# Altium PCB PCB.PcbDoc (part 2 of 3) (continued)
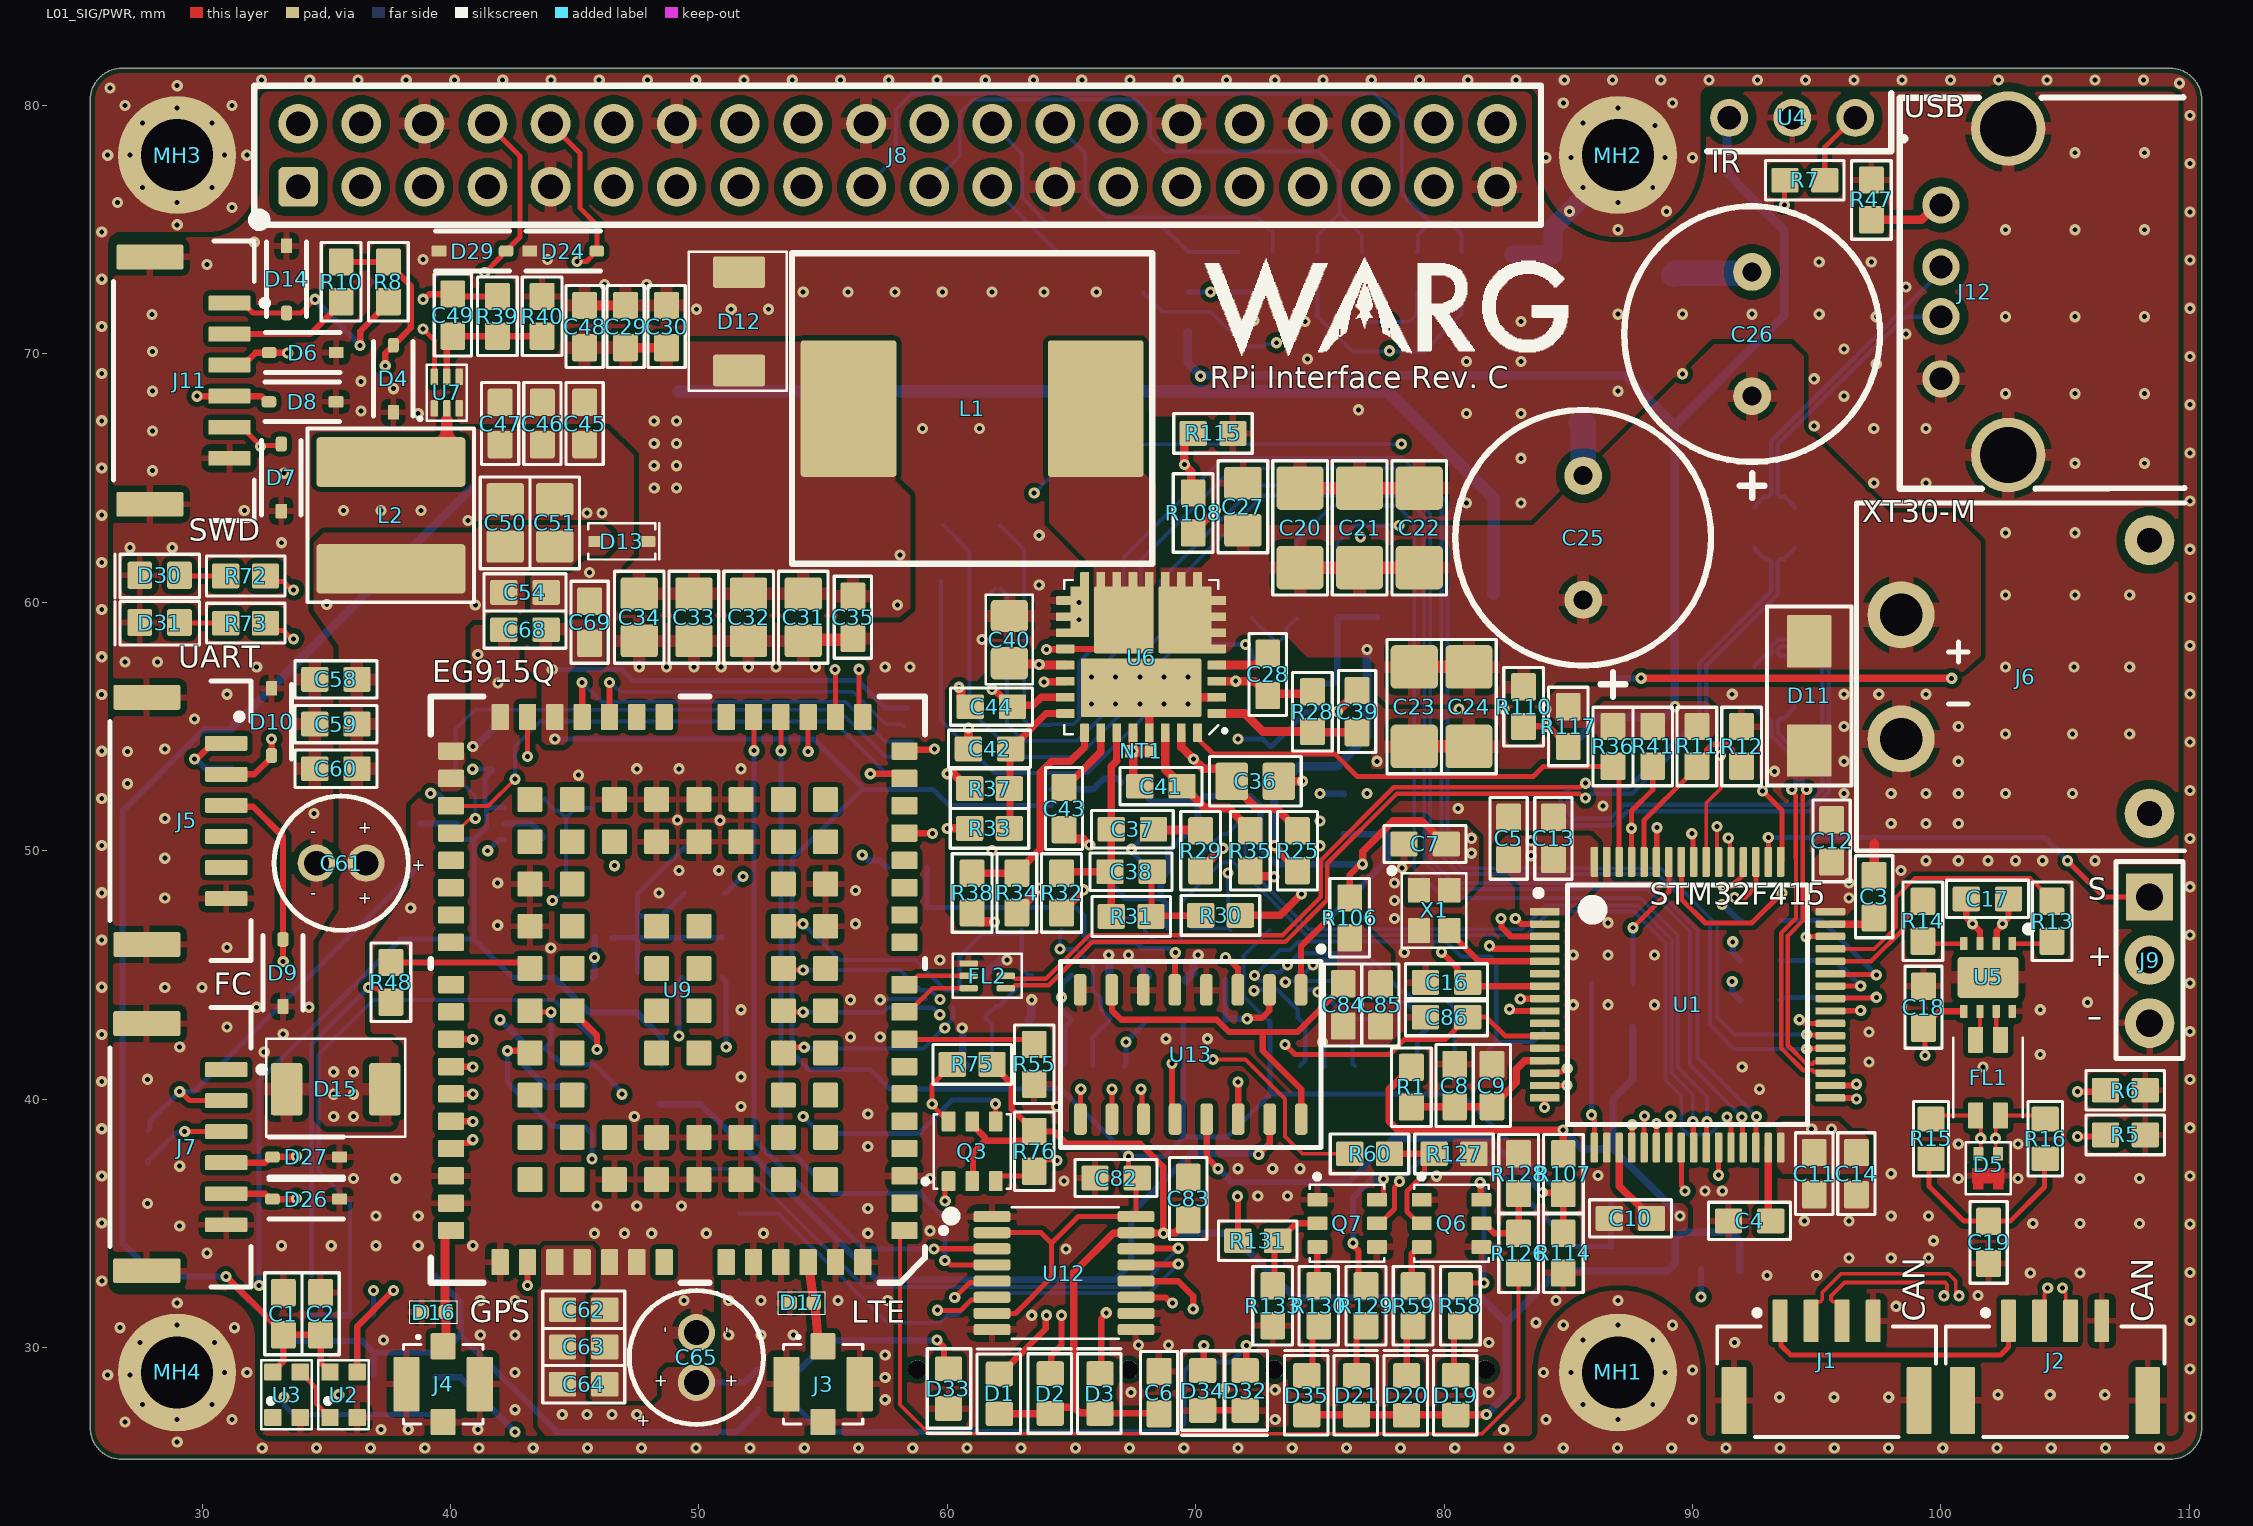
[diagram p0: L01_SIG/PWR view]
## Nets (pads, with @x,y where several pads share a name; then routed paths per layer and width w, separated by ;. In a path a pad name is that pad's centre, name@x,y a point inside that pad or via, vN(x,y) a via of type N, cw(c..) or ccw(c..) an arc to the next point about the centre after c; other vN are vias at no path point) (continued)
  L01_SIG/PWR w0.3: v1(61.8,56.5) 61.829,56.471 61.903,56.471 62.575,55.8 C44.2@62.625,55.8 62.674,55.849 63.449,55.849 63.775,56.175 U6.23@64.75,56.175 ; R30.2@71.8,47.4 73.4,47.4 v1(74.256,48.256) ; v1(87.935,56.946) 87.937,56.944 v1(100.434,56.944)
  L01_SIG/PWR w0.4: C30.2@48.7,70.25 48.699,70.251 C29.2@47.048,70.252 ; C29.2@47.048,70.252 C29.2@47.048,70.252
  L03_SIG w0.3: v1(58,59.9) 58.4,59.9 v1(61.8,56.5) ; v1(58.1,61.9) 69.107,61.9 75,56.007 v1(75,52.3) 74.256,51.556 v1(74.256,48.256) ; v1(100.434,56.944) 101.275,56.103 v1(101.275,47.062)
  L04_SIG/PWR w0.254: F1.1@31.2,54.9 31.175,54.875 30.075,54.875 26.8,51.6 26.8,34.2 28.14,32.86 v1(30.959,32.86) 33.552,30.268 36.437,30.268 36.9,29.805 ; Q5.5@36.9,28.9 36.9,29.805 ; R94.2@39.4,32.9 39.4,32.85 40.4,31.85 40.4,30.5 ; R123.2@52.4,27.5 51.5,26.6 44.3,26.6 40.4,30.5 ; v1(75,52.3) 75.931,52.3 R111.2@75.966,52.265 ; U8.3@86.85,56.8 86.996,56.946 v1(87.935,56.946) ; 36.9,29.805 39.705,29.805 40.4,30.5
  L04_SIG/PWR w0.3: F1.1@31.2,54.9 F1.1@31.2,54.95
  L04_SIG/PWR w0.35: F1.1@31.2,54.95 40.775,64.525
  L04_SIG/PWR w0.508: 49.2,68.5 77.7,68.5 81.996,64.204 81.996,60.352 C55.2@81.984,60.34
  other v1: 48.2,64.6 49.1,64.6 48.2,65.5 49.1,65.5 48.2,66.4 49.1,66.4 48.2,67.3 49.1,67.3
ADC1_IN13_ANALOG_MUX_INPUT: C86.2 U1.11 U13.3 | length 18.4
  L01_SIG/PWR w0.203: v1(73.6,42.2) 74,41.8 77.8,41.8 78.4,42.4 80.05,42.4 80.502,42.852 80.502,42.902 80.9,43.3 81.7,43.3 82.45,42.55 U1.11@84.05,42.55
  L01_SIG/PWR w0.254: v1(71.199,45.698) 71.236,45.66 71.307,45.66 71.7,45.267 U13.3@71.7,44.4
  L03_SIG w0.254: v1(71.199,45.698) 71.199,43.301 72.3,42.2 v1(73.6,42.2)
AMUX_VDDA: C84.2 C85.2 R106.1 U13.7 U13.16 | length 15.4
  L01_SIG/PWR w0.254: U13.7@66.62,44.4 66.633,44.387 66.633,43.567 67,43.2 70.852,43.2 71.352,42.7 72.7,42.7 ; U13.16@74.25,39.2 74.25,40.405 72.7,41.955 72.7,42.7 ; C84.2@75.927,44.59 75.927,44.54 74.087,42.7 72.7,42.7
ANT_GPS: D16.2 J4.1 U9.49 | length 4.9
  L01_SIG/PWR w0.369: J4.1@39.704,30.052 39.821,30.169 D16.2@39.821,31.43 ; D16.2@39.785,31.43 39.785,34.547 39.95,34.712 U9.49@40.025,34.712
ANT_LTE: D17.2 J3.1 U9.60 | length 3.5
  L01_SIG/PWR w0.369: U9.60@54.4,33.437 54.447,33.097 54.608,31.895 D17.2@54.627,31.8 54.668,31.705 54.79,30.365 J3.1@55,30.025
AP_READY_1V8: Q4.1 R88.1 U9.19 | length 26.7
  L01_SIG/PWR w0.203: v1(56.448,57.305) 56.448,55.539 U9.19@56.6,55.387
  L03_SIG w0.152: v1(56.448,57.305) 56.432,57.289 56.432,52.759 59.891,49.3 71.062,49.3 71.262,49.1 v1(71.3,49.1)
  L04_SIG/PWR w0.152: Q4.1@69.85,46.9 69.867,46.883 R88.1@71.317,46.883 ; v1(71.3,49.1) 71.3,46.9 R88.1@71.317,46.883 ; R88.1@71.4,46.8 R88.1@71.317,46.883
BOOTSTRAP: C28.2 U6.4 | length 2.3
  L01_SIG/PWR w0.35: U6.4@70.85,57.475 72.425,57.475 72.525,57.575 72.575,57.575 72.9,57.9 C28.2@72.9,57.95
CAN1_RX: R14.2 U1.44 | length 4.9
  L01_SIG/PWR w0.178: U1.44@95.55,45.55 97.19,45.55 98.5,46.86 98.5,47.187 R14.2@99.275,47.962
CAN1_TX: R13.2 U1.45 | length 11.2
  L01_SIG/PWR w0.152: U1.45@95.55,46.05 97.316,46.05 98.2,46.934 98.2,48.142 98.958,48.9 103.587,48.9 104.475,48.012 R13.2@104.475,47.962
CAN_D_N: D5.2 FL1.1 J1.3 J2.3 R15.2 | length 24.5
  L01_SIG/PWR w0.149: J1.3@96.025,31.076 96.025,31.613 95.8,31.839 95.663,31.839 95.576,31.926 95.576,32.075 96.121,32.62 100.162,32.62 100.249,32.533 100.249,32.208 v1(100.125,32.085) ; R15.2@99.6,39.2 99.739,39.339 FL1.1@101.399,39.339 101.603,39.136 v1(101.603,38.426) 101.603,37.896 D5.2@101.506,37.799 ; v1(104.9,32.4) 104.9,32.319 105.03,32.189 105.03,31.271 J2.3@105.225,31.076
  L03_SIG w0.149: v1(100.125,32.085) 100.125,32.003 100.233,31.895 100.233,31.477 100.594,31.116 104.116,31.116 104.792,31.793 v1@104.792,32.21 ; v1@100.233,32.274 100.233,34.483 101.711,35.961 101.711,38.236 101.603,38.344 v1(101.603,38.426)
CAN_D_P: D5.1 FL1.2 J1.2 J2.2 R16.2 | length 24.4
  L01_SIG/PWR w0.149: J1.2@94.775,31.076 94.775,31.613 95,31.839 95.137,31.839 95.224,31.926 95.224,32.221 95.975,32.973 100.308,32.973 100.601,32.679 100.601,32.208 v1(100.725,32.085) ; D5.1@102.306,37.799 102.203,37.903 v1(102.203,38.426) 102.203,39.143 FL1.2@102.399,39.339 104.061,39.339 R16.2@104.2,39.2 ; J2.2@103.975,31.076 104.17,31.271 104.17,32.189 104.3,32.319 v1(104.3,32.4)
  L03_SIG w0.149: v1@100.617,32.274 100.617,34.324 102.095,35.802 102.095,38.236 102.203,38.344 v1(102.203,38.426) ; v1(100.725,32.085) 100.725,32.003 100.617,31.895 100.617,31.636 100.753,31.5 103.957,31.5 104.408,31.952 v1@104.408,32.21
CAN_H_FILT: FL1.3 U5.7 | length 1.2
  L01_SIG/PWR w0.178: U5.7@102.225,43.538 102.225,42.564 FL1.3@102.399,42.389
CAN_L_FILT: FL1.4 U5.6 | length 1.1
  L01_SIG/PWR w0.178: FL1.4@101.475,42.431 101.575,42.531 U5.6@101.575,43.538
CGND: C57.1 MH1.1 MH2.1 MH3.1 MH4.1 R42.1 | length 6.6
  L04_SIG/PWR w0.762: R42.1@82.823,74.011 82.844,73.99 C57.1@84.373,73.99 84.373,74.151 84.381,74.159 84.381,75.081 MH2.1@87.15,77.85
  other v1: 32.419,25.96 34.602,25.96 36.784,25.96 38.967,25.96 41.149,25.96 43.332,25.96 45.514,25.96 47.696,25.96 49.879,25.96 52.061,25.96 54.244,25.96 56.426,25.96 58.609,25.96 60.791,25.96 62.973,25.96 65.156,25.96 67.338,25.96 69.521,25.96 71.703,25.96 73.886,25.96 76.068,25.96 78.25,25.96 80.433,25.96 82.615,25.96 84.798,25.96 86.98,25.96 89.163,25.96 91.345,25.96 93.527,25.96 95.71,25.96 97.892,25.96 100.075,25.96 102.257,25.96 104.44,25.96 106.622,25.96 108.804,25.96 29,26.2 26.9,27 29,27.1 31.2,27.1 84.1,27.1 87,27.1 90,27.1 110.023,27.203 27.6,27.7 30.4,27.7 85.6,27.7 88.4,27.7 26.2,28.9 27.1,28.9 30.9,29 31.8,29 84,29 85.1,29 88.9,29 90,29.1 110.023,29.143 27.5,30.2 30.5,30.2 85.6,30.3 88.4,30.3 26.7,30.8 31.3,30.8 29,30.9 84.8,30.9 87,30.9 89.2,30.9 110.023,31.084 29,31.8 87,31.9 25.962,32.685 110.023,33.025 110.023,34.965 25.961,35.009 25.961,36.909 110.023,36.906 25.961,38.809 110.023,38.847 25.961,40.709 110.023,40.788 25.961,42.609 110.023,42.728 25.961,44.509 110.023,44.669 25.961,46.409 110.023,46.61 25.961,48.309 110.023,48.55 25.961,50.209 110.023,50.491 25.961,52.109 110.023,52.432 25.961,54.009 110.023,54.373 25.959,56.294 110.023,56.313 25.961,57.809 110.023,58.254 25.961,59.709 110.023,60.195 25.961,61.609 110.023,62.135 25.961,63.509 110.023,64.076 25.961,65.409 110.023,66.017 25.961,67.309 110.023,67.958 25.961,69.209 110.023,69.898 25.961,71.109 110.023,71.839 25.961,73.009 110.023,73.78 25.961,74.909 87,75.003 29,75.2 110.023,75.72 85.044,75.744 88.956,75.744 31.2,75.9 26.6,76.1 29,76.1 87,76.1 27.6,76.7 30.4,76.7 85.6,76.7 88.4,76.7 110.023,77.661 84.1,77.9 85.1,77.9 88.9,77.9 90,77.9 26.2,78 27.1,78 30.9,78 31.8,78 88.5,79.2 27.6,79.3 30.4,79.3 85.6,79.3 110.023,79.602 29,79.9 87,79.9 26.9,80 31.2,80 84.8,80.1 89.2,80.1 26.293,80.707 29,80.8 109.6,80.9 32.39,81.03 34.333,81.03 36.276,81.03 38.218,81.03 40.161,81.03 42.103,81.03 44.046,81.03 45.989,81.03 47.931,81.03 49.874,81.03 51.816,81.03 53.759,81.03 55.702,81.03 57.644,81.03 59.587,81.03 61.529,81.03 63.472,81.03 65.415,81.03 67.357,81.03 69.3,81.03 71.242,81.03 73.185,81.03 75.128,81.03 77.07,81.03 79.013,81.03 80.955,81.03 82.898,81.03 84.841,81.03 86.783,81.03 88.726,81.03 90.668,81.03 92.611,81.03 94.554,81.03 96.496,81.03 98.439,81.03 100.381,81.03 102.324,81.03 104.267,81.03 106.209,81.03 108.152,81.03
D1: U2.1 U3.3 | length 2.3
  L01_SIG/PWR w0.203: U3.3@33.95,29.015 34.6,28.365 34.6,27.735 U2.1@35.15,27.185
DISABLE: R64.1 R66.2 R67.2 R68.2 R69.2 U10.1 | length 12.5
  L04_SIG/PWR w0.203: U10.1@46.477,46.497 47.527,46.497 ; R64.1@47.527,45.097 47.527,46.497 ; R68.2@49.402,50.122 47.527,48.247 47.527,47.372 ; R66.2@49.427,48.297 48.502,47.372 47.527,47.372 ; R69.2@50.927,46.497 R67.2@49.327,46.497 47.527,46.497 ; 47.527,46.497 47.527,47.372
EG_AP_READY: Q4.6 R89.1 U1.25 | length 32.4
  L01_SIG/PWR w0.203: v1(90.013,39.1) 90.031,39.082 90.031,38.069 U1.25@90.05,38.05
  L04_SIG/PWR w0.152: Q4.6@69.85,49.3 70.049,49.499 70.049,49.652 70.486,50.089 71.072,50.675 71.259,50.675 R89.1@71.683,51.099 72,50.782 72,49.4 74.559,46.841 75.307,46.841 83.141,46.841 84.1,47.8 87.8,47.8 89.159,46.441 89.159,41.041 90.013,40.187 v1(90.013,39.1)
EG_PWRKEY: R49.2 U1.26 | length 41.8
  L01_SIG/PWR w0.203: U1.26@90.55,38.05 90.569,38.069 90.569,39.071 v1(90.587,39.09)
  L04_SIG/PWR w0.152: R49.2@74.054,60.953 74.054,62.454 75.5,63.9 78.1,63.9 78.8,63.2 78.8,49.3 80,48.1 87.9,48.1 89.4,46.6 89.4,41.3 90.587,40.113 v1(90.587,39.09)
EG_RESET_N: R50.2 U1.56 | length 22.8
  L01_SIG/PWR w0.203: v1(89.974,50.686) 90.012,50.648 90.012,49.588 U1.56@90.05,49.55
  L03_SIG w0.152: v1(78.181,63.097) 78.218,63.059 78.48,63.059 89.975,51.564 89.975,50.687 v1(89.974,50.686)
  L04_SIG/PWR w0.152: R50.2@75.7,61 75.7,62.4 76.397,63.097 v1(78.181,63.097)
EG_RESET_N_3V8: C67.2 Q1.3 U9.17 | length 27.3
  L01_SIG/PWR w0.254: v1(56.9,53.1) 58.087,53.1 U9.17@58.275,52.912
  L03_SIG w0.203: v1(56.9,53.1) 56.9,59.8 58.3,61.2 69.1,61.2 v1(72,58.3)
  L04_SIG/PWR w0.203: C67.2@70.5,58.25 70.55,58.3 v1(72,58.3) 72,58.29 72.232,58.058 72.232,57.854 Q1.3@72.4,57.686
EG_USB_D_N: FL2.2 R44.2 R46.2 | length 64.5
  L01_SIG/PWR w0.178: FL2.2@62.36,44.965 62.61,44.965 62.726,44.848 63.971,44.848 65.73,46.607 73.501,46.607 75.033,48.139 75.033,49.611 77.978,52.556 81.939,52.556 85.456,52.556 85.621,52.721 v1(85.694,52.721)
  L04_SIG/PWR w0.178: v1@85.621,52.721 85.454,52.555 85.092,52.555 84.7,52.163 84.7,51.437 85.104,51.033 86.811,51.033 87.371,51.593 94.729,51.593 95.489,52.353 95.489,57.772 94.773,58.488 93.427,58.488 93.167,58.228 93.167,57.961 93.062,57.857 92.911,57.857 92.5,57.446 R46.2@92.5,57.4 ; v1@85.694,52.699 v1@85.79,52.699 ; v1(85.694,52.721) 85.768,52.721 v1@85.79,52.699 ; R44.2@92.5,62.2 92.5,62.154 92.911,61.743 93.062,61.743 93.167,61.639 93.167,60.444 90.28,57.557 90.28,55.38 87.455,52.555 85.935,52.555 v1@85.79,52.699
EG_USB_D_P: FL2.1 R43.2 R45.2 | length 62.7
  L01_SIG/PWR w0.178: FL2.1@62.36,44.465 62.61,44.465 62.726,44.581 64.081,44.581 65.84,46.34 73.611,46.34 75.3,48.029 75.3,49.5 78.089,52.289 81.829,52.289 85.453,52.289 85.621,52.121 v1(85.694,52.121)
  L04_SIG/PWR w0.178: v1@85.625,52.117 85.454,52.288 85.202,52.288 84.967,52.052 84.967,51.548 85.215,51.3 86.7,51.3 87.26,51.86 94.619,51.86 95.222,52.464 95.222,57.662 94.662,58.221 93.538,58.221 93.433,58.117 93.433,57.961 93.538,57.857 93.689,57.857 94.1,57.446 R45.2@94.1,57.4 ; v1(85.694,52.121) 85.768,52.121 85.935,52.288 87.565,52.288 90.547,55.269 90.547,57.447 93.433,60.333 93.433,61.639 93.538,61.743 93.689,61.743 94.1,62.154 R43.2@94.1,62.2
EG_USB_VBUS: R55.2 U9.8 | length 5.3
  L01_SIG/PWR w0.203: U9.8@58.275,42.412 58.294,42.394 63.306,42.394 R55.2@63.5,42.2
EG_W_DISABLE: Q4.3 R90.1 U1.28 | length 38.6
  L01_SIG/PWR w0.203: v1(91.385,39.285) 91.385,39.218 91.559,39.044 U1.28@91.559,38.059
  L04_SIG/PWR w0.152: R90.1@66.387,47.302 67.673,47.302 67.95,47.025 Q4.3@67.95,46.9 67.95,46.775 68.401,46.324 69.224,46.324 69.399,46.499 69.399,47.899 71.026,49.526 71.529,49.526 74.455,46.6 83.3,46.6 84.259,47.559 87.641,47.559 88.918,46.282 88.918,40.784 89.549,40.153 89.549,38.849 89.823,38.574 90.674,38.574 v1(91.385,39.285)
EG_W_DISABLE_1V8: Q4.4 R91.1 U9.18 | length 13.2
  L01_SIG/PWR w0.254: U9.18@58.275,54.012 58.325,54.062 59.442,54.062 v1(59.479,54.1)
  L03_SIG w0.152: v1(59.479,54.1) 63.384,54.1 v1(67.42,50.064)
  L04_SIG/PWR w0.203: v1(67.42,50.064) 67.42,50.07 68.45,51.1 R91.1@68.5,51.1 ; v1@67.467,49.908 67.95,49.425 Q4.4@67.95,49.3
EG_WAKEUP_IN: Q5.6 R93.1 U1.24 | length 60.1
  L01_SIG/PWR w0.203: U1.24@89.55,38.05 89.55,36.517 89.7,36.367 v1(89.7,36.3)
  L03_SIG w0.152: v1(35.5,28.1) 48.5,28.1 49.3,27.3 63.8,27.3 67.624,31.124 70.077,31.124 70.446,31.494 79.3,31.494 80.889,33.083 86.483,33.083 v1(89.7,36.3)
EG_WAKEUP_IN_1V8: Q5.1 R92.1 U9.96 | length 27.6
  L01_SIG/PWR w0.254: U9.96@44.9,43.562 45.9,42.562 v1(45.9,42)
  L04_SIG/PWR w0.152: Q5.1@35.95,31.3 35.95,35.862 34.692,37.12 34.692,41.792 36.891,43.991 44.162,43.991 45.858,42.295 45.858,42.042 v1(45.9,42)
  L04_SIG/PWR w0.254: R92.1@34.4,31.3 Q5.1@35.95,31.3
ELRS_CTS: J5.4
ELRS_RTS: J5.5
EMERGENCY_DOWNLOAD: R48.1 U9.75 | length 5.6
  L01_SIG/PWR w0.254: R48.1@37.6,45.5 43.112,45.5 U9.75@43.2,45.412
ENABLE_1V1_THRES_0V5_HYST: C42.2 R33.1 R37.2 U6.24 | length 6
  L01_SIG/PWR w0.3: R33.1@62.5,50.9 62.525,50.925 62.525,52.5 62.525,54.075 62.575,54.075 62.95,54.45 62.95,54.5 63.975,55.525 U6.24@64.75,55.525
FC_CTS: D27.2 J7.4 R67.1 U1.15 | length 66.7
  L01_SIG/PWR w0.203: U1.15@84.05,40.55 84.054,40.554 84.94,40.554 v1(84.944,40.558)
  L01_SIG/PWR w0.254: J7.4@30.974,37.442 32.532,37.442 32.765,37.675 D27.2@32.835,37.675 32.847,37.688 33.788,37.688 v1(33.8,37.7)
  L03_SIG w0.152: v1(33.8,37.7) 42.9,37.7 47.738,42.538 54.394,42.538 61.509,35.423 75.023,35.423 81.47,41.87 84.93,41.87 85.398,41.402 85.398,40.95 85.006,40.558 v1(84.944,40.558)
  L04_SIG/PWR w0.203: v1(49.2,42.538) 49.2,44.77 R67.1@49.327,44.897
FC_GPIO: D28.2 J9.1 R66.1 U1.50 | length 86.7
  L01_SIG/PWR w0.203: U1.50@93.05,49.55 93.052,49.552 93.052,50.531 v1(93.053,50.533) ; v1(105.1,49.6) 106.56,48.14 J9.1@108.4,48.14
  L03_SIG w0.152: v1(78.277,66.369) 78.277,65.309 v1(93.053,50.533)
  L03_SIG w0.203: v1(51.771,48.963) 51.781,48.953 56.841,48.953 57.3,49.411 57.3,50.3 53.904,53.696 53.904,60.404 57.9,64.4 v1(63.5,64.4)
  L04_SIG/PWR w0.152: v1(63.5,64.4) 65.469,66.369 v1(78.277,66.369)
  L04_SIG/PWR w0.203: R66.1@51.027,48.297 51.077,48.297 51.743,48.963 v1(51.771,48.963) ; v1(93.053,50.533) 104.167,50.533 v1(105.1,49.6) 105.1,49.559 105.922,48.737 105.977,48.737 106.09,48.624 D28.2@106.09,48.583
FC_RTS: D26.2 J7.5 R69.1 U1.14 | length 72.1
  L01_SIG/PWR w0.203: U1.14@84.05,41.05 84.098,41.098 84.755,41.098 84.894,41.237 v1(84.961,41.237)
  L01_SIG/PWR w0.254: J7.5@30.974,36.192 32.547,36.192 32.765,35.975 33.675,35.975 33.8,36.1 v1(33.8,36)
  L03_SIG w0.152: v1(33.8,36) 43.4,36 ; v1(51.1,42.1) 47.897,42.1 43.4,37.603 43.4,36 ; v1(84.961,41.237) 83.824,40.1 80.271,40.1 75.301,35.131 44.269,35.131 43.4,36
  L04_SIG/PWR w0.203: R69.1@50.927,44.897 51.1,44.725 v1(51.1,42.1)
FCC_5V: J1.1 J2.1 | length 11.5
  L01_SIG/PWR w0.203: J1.1@93.525,31.076 93.566,31.035 93.566,30.086 93.952,29.7 102.4,29.7 102.725,30.025 J2.1@102.725,31.076
FCG_5V: J9.2
FCU_5V: J7.1
FEEDBACK_0V6: C37.1 C38.1 R31.1 R32.2 U6.27 | length 9.5
  L01_SIG/PWR w0.3: R32.2@64.6,49.1 64.652,49.152 66.548,49.152 C38.1@66.55,49.155 ; R31.1@66.6,47.355 66.6,49.152 C37.1@66.6,50.866 66.6,53.4 66.825,53.625 U6.27@66.825,54.75
FREQ_725KHZ: R34.1 R38.2 U6.25 | length 9
  L01_SIG/PWR w0.3: R38.2@61,49.1 R34.1@62.8,49.1 ; R34.1@62.8,49.127 62.8,49.15 63.15,49.5 63.173,49.5 63.737,50.064 63.737,53.137 64.2,53.6 64.95,53.6 65.525,54.175 U6.25@65.525,54.75
GND: C1.1 C2.1 C3.1 C4.1 C5.1 C6.1 C7.1 C8.1 C9.1 C10.1 C11.1 C12.1 C13.1 C14.1 C15.1 C16.1 C17.1 C18.1 C19.1 C20.1 C21.1 C22.1 C23.1 C24.1 C27.1 C29.1 C30.1 C31.1 C32.1 C33.1 C34.1 C35.1 C39.1 C40.1 C45.1 C46.1 C47.1 C48.1 C50.1 C51.1 C52.1 C53.1 C54.1 C55.1 C56.1 C57.2 C58.1 C59.1 C60.1 C61.2 C62.1 C63.1 C64.1 C65.2 C66.1 C67.1 C68.1 C69.1 C70.1 C71.1 C72.1 C73.1 C74.1 C75.1 C76.1 C77.1 C78.1 C79.1 C80.1 C81.1 C82.1 C83.1 C84.1 C85.1 C86.1 D4.1 D5.3 D6.1 D7.1 D8.1 D9.1 D10.1 D11.1 D12.1 D14.1 D15.2 D16.1 D17.1 D18.5 D22.5 D23.1 D24.1 D25.1 D26.1 D27.1 D28.1 D29.1 D30.2 D31.2 D32.2 D33.2 D34.2 FL2.3 J1.4 J1.5 J1.6 J2.4 J2.5 J2.6 J3.2 J3.3 J3.4 J4.2 J4.3 J4.4 J5.6 J5.7 J5.8 J6.2 J7.6 J7.7 J7.8 J8.6 J8.9 J8.14 J8.20 J8.25 J8.30 J8.34 J8.39 J9.3 J11.6 J11.7 J11.8 J12.4 J12.MH1 J12.MH2 J13.C5 J13.MP1 J13.MP2 J13.MP3 J13.MP4 J14.C5 J14.MP1 J14.MP2 J14.MP3 J14.MP4 J15.3 J16.3 J17.3 NT1.1 Q1.1 Q1.4 Q6.1 Q6.4 Q7.1 Q7.4 R5.1 R6.1 R12.1 R26.1 R27.1 R40.1 R42.2 R47.1 R51.1 R52.1 R55.1 R68.1 R114.1 R115.1 R116.1 R117.1 R118.1 R119.1 R120.1 R127.1 R128.1 R133.1 R134.1 U1.12 U1.18 U1.63 U2.2 U3.2 U4.2 U5.2 U5.8 U5.9 U6.2 U6.16 U6.17 U6.18 U6.19 U6.22 U6.29 U6.33 U6.36 U7.1 U8.2 U9.3 U9.31 U9.47 U9.48 U9.50 U9.54 U9.55 U9.58 U9.59 U9.61 U9.62 U9.67 U9.68 U9.69 U9.70 U9.71 U9.72 U9.73 U9.74 U9.79 U9.80 U9.81 U9.82 U9.89 U9.90 U9.91 U9.100 U9.101 U9.102 U10.3 U11.1 U11.8 U11.9 U11.10 U12.1 U12.8 U12.9 U12.10 U13.4 U13.6 U13.8 X1.2 | length 36.7
  L01_SIG/PWR w0.254: D34.2@70.279,27.471 D32.2@71.989,27.471 ; U5.2@102.225,46.262 102.248,46.285 102.248,46.782 v1@102.475,47.009 ; v1@102.475,47.063 102.725,47.313 C17.1@102.725,48.062
  L01_SIG/PWR w0.3: v1(63.9,56.8) 63.912,56.813 64.738,56.813 U6.22@64.75,56.825
  L01_SIG/PWR w0.35: U6.33@67.8,56.56 U6.33@68.125,56.235 ; NT1.1@68.122,54.02 NT1.1@68.125,54.023 ; NT1.1@68.2,54 68.125,54.075 U6.29@68.125,54.75 U6.33@68.125,56.235 ; U6.2@70.85,56.175 68.185,56.175 U6.33@68.125,56.235 ; v1(75.7,55.6) 76.5,56.4 C39.1@76.5,56.45
  L01_SIG/PWR w0.381: C3.1@97.31,49 97.31,50.29
  L01_SIG/PWR w0.4: C48.1@45.4,71.95 C48.1@45.4,71.95 C29.1@47.048,71.952 C29.1@47.048,71.952
  L01_SIG/PWR w0.508: C31.1@54.2,58.45 54.25,58.5 56.15,58.5 C35.1@56.2,58.55 ; C20.1@74.2,64.6 C21.1@76.6,64.6 C22.1@79,64.6 ; C23.1@78.8,54.2 C24.1@81,54.2
  L04_SIG/PWR w0.17: v1(57.3,44) 57.332,44.032 D22.5@59.136,44.032 ; v1(73.608,44.708) 73.657,44.757 D18.5@74.147,44.757 76.106,44.757 C70.1@76.225,44.876
  L04_SIG/PWR w0.3: v1(40.9,54.2) 40.929,54.229 41.029,54.229 41.7,54.9 C79.1@41.7,54.95 ; v1(60.6,42.865) 60.629,42.836 60.629,41.494 J14.C5@60.78,41.342 ; v1(75.1,42.3) 75.123,42.277 75.123,41.365 J13.C5@75.146,41.342
  L04_SIG/PWR w0.35: C74.1@61.533,44.972 61.533,45.022 61.858,45.347 61.908,45.347 62.143,45.581 62.381,45.581 v1(62.4,45.6) ; C77.1@63.282,43.195 63.381,43.294 63.381,43.981 v1(63.4,44) ; v1(66.5,45.8) 66.519,45.781 66.519,44.977 C75.1@66.554,44.942 ; v1(67.3,45.8) 67.319,45.781 67.319,45.742 68.069,44.992 C76.1@68.069,44.942 ; R120.1@69.6,44.8 69.904,45.104 69.904,45.576 70.1,45.773 v1(70.1,45.8)
  other v1: 37.2,26.697 38.3,26.7 41.1,26.7 82.4,26.7 73.2,27.1 42.6,27.5 57.5,27.9 93.5,28 95.7,28 97.9,28 102.3,28.1 104.4,28.1 106.6,28.1 67.4,28.2 81.8,28.2 73.2,28.3 71.151,28.329 57.5,28.8 42.6,29 57.5,29.7 67.7,30.1 68.9,30.1 81.8,30.2 91.7,30.2 37.3,30.3 41.2,30.5 42.6,30.5 51.2,30.5 52.5,30.5 53.8,30.5 83.7,31 63.4,31.3 98.2,31.66 41.2,31.9 42.6,31.9 49.4,31.9 51.2,31.9 52.5,31.9 55.6,31.9 57.6,31.9 84.5,31.9 101.5,32.1 93,32.9 95,32.9 103.6,33 105.6,33 96.3,33.6 98,33.6 99.5,33.6 30.2,33.8 64.783,33.972 33.2,34.1 35.2,34.1 37,34.1 38.7,34.1 40.9,34.1 99.7,34.3 45.8,34.6 47,34.6 48.1,34.6 50.3,34.6 52.6,34.6 56.8,34.6 59.3,34.7 29.1,34.9 103.7,35 105.6,35 108,35 94.5,35.1 96.3,35.1 37,35.3 38.7,35.3 98,35.3 99.5,35.3 56.8,35.6 45.9,35.7 47.5,35.7 49.3,35.7 27.8,35.8 72.5,36.1 73.7,36.1 90.5,36.3 91.2,36.3 64.7,36.7 36.1,36.8 37.8,36.8 59.3,36.8 100.7,36.8 103.1,36.8 105.6,36.8 108,36.8 79.7,36.9 86.2,36.924 98,37 71.7,37.2 73.1,37.2 74.2,37.2 29.1,37.3 56.8,38.1 100.7,38.2 103.1,38.2 47.4,39.3 56.8,39.4 51.7,39.7 64.4,39.7 92.7,40.4 27.8,40.8 51.7,40.9 92,41.3 101.7,41.3 97.1,41.5 104,41.8 32.5,41.9 29.1,42.1 68.8,42.432 70.475,42.432 56.1,42.5 57.3,42.5 33.267,42.624 97.1,42.7 31,42.9 51.7,43.6 104,43.6 32.2,43.7 34.3,43.7 85.2,43.8 86.6,43.8 88.474,43.8 105.9,43.9 56.1,44 28.5,44.5 30,44.5 59.7,45.6 85.2,45.8 86.6,45.8 88.474,45.8 78.4,45.9 31,46.1 44.04,46.09 41.9,47 56.3,47.06 102.475,47.062 86.6,47.1 78,47.267 38.4,47.7 78,48 28.5,48.1 48.4,48.3 56.3,48.4 41.9,48.7 78,48.7 49.2,49.2 50.8,49.2 98.4,49.2 78.3,49.3 99.4,49.6 100.7,49.6 101.9,49.6 103,49.6 104.1,49.6 106.2,49.6 28.5,49.7 61.8,50 75,50.2 98,51.1 99.4,51.1 100.7,51.1 75,51.2 49.142,51.233 50.85,51.227 28.5,51.3 34.5,51.5 80.568,51.7 86.4,51.8 76.9,52.3 96.1,52.3 98,52.3 99.4,52.3 100.7,52.3 102.6,52.3 105.3,52.3 27,52.7 45.15,53.041 93.3,53.2 47.5,53.3 49.2,53.3 51.7,53.3 77.3,53.6 96.1,53.6 100.7,53.6 27,54 28.5,54.1 102.6,54.7 105.3,54.7 107.6,54.7 96.1,55 100.7,55 29.7,55.3 80.6,55.7 82.4,55.7 84.1,55.7 65.8,55.9 66.775,55.9 67.75,55.9 68.725,55.9 69.7,55.9 31,56.3 91.6,56.3 96.1,56.3 97.5,56.3 99.4,56.3 41.911,56.755 65.8,57 66.775,57 67.75,57 68.725,57 69.7,57 32.2,57.4 47.6,57.4 48.7,57.4 49.8,57.4 50.9,57.4 52,57.4 53.1,57.4 54.7,57.4 57.5,57.4 58.5,57.4 102.6,57.4 105.364,57.393 107.6,57.4 26.9,57.6 28.2,57.6 41.1,57.9 61.4,58.5 65.3,59.3 65.3,60 102.6,60.3 105.4,60.3 107.6,60.3 63.7,60.7 45.6,61.2 27.1,62.2 28.8,62.2 33.2,62.4 76.637,62.634 63.7,62.7 102.6,62.8 105.4,62.8 40.7,63.3 45.5,63.6 46.1,63.6 31.7,63.7 35.7,63.7 37.2,63.7 38.808,63.704 80.9,64 83.1,64 97.3,64.8 99.4,64.8 33.3,65.2 28,65.3 105.4,65.6 108.2,65.6 83.1,65.8 28,66.9 59,67 61.3,67 97.3,67 99.4,67 94.9,67.1 38.7,67.6 80.9,67.6 83.1,67.6 36.4,67.7 76.553,67.753 96.1,68.3 102.6,68.4 105.4,68.4 108.2,68.4 28,68.5 87,68.5 37.7,68.6 36.4,68.9 94.9,69 89.6,69.2 97.4,69.6 80.9,69.699 83.1,69.699 74.503,69.803 28,70.1 96.1,70.2 98.6,70.8 74.4,71.3 83.1,71.3 72.351,71.351 97.4,71.5 102.6,71.5 105.4,71.5 108.2,71.5 27.987,71.586 87,71.6 89.6,71.6 92.4,71.6 95.1,71.6 49.9,71.8 51.3,71.8 52.8,71.8 54.2,72.5 56,72.5 57.9,72.5 59.8,72.5 61.8,72.5 63.9,72.5 66,72.5 98.6,72.7 46.2,72.8 47.9,72.8 30.2,73.6 95.1,73.7 97.2,73.7 38.9,73.8 43.9,73.8 32.1,74.5 102.6,75 105.4,75 108.2,75 105.4,78.1 108.2,78.1
GPIO_INPUT_POWERGOOD_3V8: R41.1 U1.61 U7.6 | length 64.5
  L01_SIG/PWR w0.203: v1(38.9,71) 39.351,70.549 U7.6@39.351,69.079 ; U1.61@87.55,49.55 87.549,49.551 87.549,50.905 v1(87.548,50.906) 87.548,51.601 88.4,52.453 R41.1@88.4,53.4
  L03_SIG w0.152: v1(38.9,71) 68.92,71 77.82,62.1 78.303,62.1 87.6,52.803 87.6,50.958 v1(87.548,50.906)
GPIO_INPUT_POWERGOOD_5V05: R36.1 U1.62 U6.32 | length 21.7
  L01_SIG/PWR w0.203: U6.32@70.075,54.75 70.148,54.677 70.148,54.452 70.7,53.9 75.6,53.9 76.508,52.992 83.592,52.992 84,53.4 R36.1@86.8,53.4 87.05,53.15 U1.62@87.05,49.55
GPIO_OUTPUT_GRFC1: Q3.3 R76.1 U1.8 | length 25.5
  L01_SIG/PWR w0.152: R76.1@63.5,37.101 63.924,37.525 v1(64.415,37.525)
  L01_SIG/PWR w0.203: Q3.3@61.95,36.7 61.95,36.727 62.123,36.9 63.3,36.9 R76.1@63.5,37.1
  L01_SIG/PWR w0.254: v1(83.069,44.027) 83.081,44.038 84.038,44.038 U1.8@84.05,44.05
  L03_SIG w0.152: v1(64.415,37.525) 65.09,38.2 76.834,38.2 81.276,42.641 82.254,42.641 83.069,43.457 v1(83.069,44.027)
GPIO_OUTPUT_GRFC2: Q3.6 R75.1 U1.9 | length 30
  L01_SIG/PWR w0.203: Q3.6@60.05,39.1 59.44,39.71 59.44,39.753 v1(59.393,39.8) 59.393,40.593 R75.1@60.2,41.4
  L01_SIG/PWR w0.254: v1(82.63,43.62) 82.683,43.62 82.753,43.55 U1.9@84.05,43.55
  L03_SIG w0.152: v1(59.393,39.8) 60.393,38.8 77.093,38.8 81.893,43.599 82.609,43.599 v1(82.63,43.62)
GPIO_OUTPUT_MAIN_DTR: U1.57 U12.11 | length 44.6
  L01_SIG/PWR w0.203: U1.57@89.55,49.55 89.55,48.05 90.5,47.1 92.4,47.1 v1(93.6,48.3)
  L01_SIG/PWR w0.254: U12.11@67.6,32.025 67.612,32.013 68.795,32.013 69.016,31.791 v1(69.069,31.791)
  L03_SIG w0.152: v1(69.069,31.791) 69.123,31.791 69.307,31.976 79.1,31.976 82.872,35.748 87.948,35.748 89.674,37.474 91.613,37.474 93.6,39.461 v1(93.6,48.3)
GPIO_OUTPUT_MUX_SELECT_0: U1.2 U13.11 | length 22.7
  L01_SIG/PWR w0.203: v1(67.797,40.4) 67.844,40.353 67.844,39.256 U13.11@67.9,39.2
  L01_SIG/PWR w0.254: v1(82.868,47.267) 82.89,47.267 83.107,47.05 U1.2@84.05,47.05
  L03_SIG w0.152: v1(67.797,40.4) 68.997,39.2 76.946,39.2 82.867,45.121 v1(82.868,47.267)
GPIO_OUTPUT_MUX_SELECT_1: U1.3 U13.10 | length 24.5
  L01_SIG/PWR w0.203: U13.10@66.63,39.2 66.632,39.202 66.632,40.404 v1@66.634,40.406
  L01_SIG/PWR w0.254: v1(82.293,47.267) 82.308,47.251 82.308,46.934 82.692,46.55 U1.3@84.05,46.55
  L03_SIG w0.152: v1@66.634,40.406 67.054,40.826 68.674,40.826 70.059,39.441 76.846,39.441 82.285,44.88 82.285,46.496 82.293,46.504 v1(82.293,47.267)
  other v1: 66.634,40.4
GPIO_OUTPUT_MUX_SELECT_2: U1.4 U13.9 | length 24.1
  L01_SIG/PWR w0.203: U13.9@65.368,39.2 v1@65.368,40.4
  L01_SIG/PWR w0.254: v1(81.827,46.174) 81.88,46.174 82.004,46.05 U1.4@84.05,46.05
  L03_SIG w0.152: v1@65.376,40.439 66.005,41.068 68.774,41.068 69.967,39.874 76.874,39.874 81.782,44.782 81.782,46.129 v1(81.827,46.174)
  other v1: 65.376,40.4
GRFC1_1V8: Q3.4 R77.1 U9.76 | length 23.5
  L01_SIG/PWR w0.203: U9.76@43.188,43.7 43.388,43.5 v1(44.05,43.5) ; v1(61.935,39.814) 61.943,39.807 61.943,39.107 Q3.4@61.95,39.1
  L03_SIG w0.203: v1(46.9,40.2) 53.3,40.2 v1(54.2,39.3)
  L04_SIG/PWR w0.203: v1(44.05,43.5) 44.048,43.498 44.048,42.298 43.8,42.05 44.198,41.652 44.248,41.652 44.5,41.4 45.791,41.4 46.853,40.338 46.853,40.247 v1(46.9,40.2) ; v1(54.2,39.3) 54.889,38.611 58.842,38.611 60.19,39.959 61.723,39.959 61.868,39.814 v1(61.935,39.814)
GRFC2_1V8: Q3.1 R74.1 U9.77 | length 23.2
  L01_SIG/PWR w0.203: v1(59.915,35.9) 59.915,36.565 Q3.1@60.05,36.7
  L01_SIG/PWR w0.254: v1(42.3,41.948) 43.136,41.948 U9.77@43.188,42
  L03_SIG w0.203: v1(45.7,37.6) 55.8,37.6 57.5,35.9 v1(59.915,35.9)
  L04_SIG/PWR w0.203: v1(42.3,41.948) 42.3,40.673 44.073,38.9 R74.1@45.4,38.9 45.7,38.6 v1(45.7,37.6)
HSE_OSC: U1.5 X1.3 | length 4.4
  L01_SIG/PWR w0.254: X1.3@80.213,46.787 80.213,46.737 81.4,45.55 U1.5@84.05,45.55
ILIMIT: C39.2 R28.1 U6.1 | length 6
  L01_SIG/PWR w0.35: U6.1@70.85,55.525 71.975,55.525 72.7,54.8 R28.1@74.7,54.8 74.725,54.775 76.475,54.775 C39.2@76.5,54.75
IR_DETECTOR: R7.1 U4.1 | length 3
  L01_SIG/PWR w0.203: R7.1@95.324,76.993 95.324,78.324 U4.1@96.5,79.5
IVDD: C41.2 R35.1 U6.30 | length 6
  L01_SIG/PWR w0.35: U6.30@68.775,54.75 68.775,53.275 69.075,52.975 69.075,52.925 69.4,52.6 C41.2@69.45,52.6 69.5,52.6 70.375,51.725 71.325,51.725 72.2,50.85 R35.1@72.2,50.8
MAIN_DTR_1V8: U9.30 U12.5 | length 62.6
  L01_SIG/PWR w0.203: v1(43.1,53.8) U9.30@43.1,55.387 ; v1(60.3,32.012) 60.915,32.627 61.752,32.627 U12.5@61.8,32.675
  L03_SIG w0.152: v1(43.1,53.8) 43.1,48.9 42.467,48.267 38.067,48.267 28.6,38.8 28.6,36.8 31.8,33.6 58.712,33.6 v1(60.3,32.012)
NEOPIXEL_D0_5V: Q5.3 R94.1 U2.3 | length 3.9
  L01_SIG/PWR w0.254: U2.3@36.25,29.015 36.25,30.85 v1(37.7,32.3)
"NEOPIXEL_D0_ 3V3": Q5.4 R95.1 U1.39 | length 66.6
  L01_SIG/PWR w0.203: v1(94.3,43.2) 94.367,43.2 94.515,43.052 94.787,43.052 94.789,43.05 U1.39@95.55,43.05
  L03_SIG w0.152: v1(42.6,26.6) 63.5,26.6 67.782,30.882 80.787,30.882 82.746,32.841 88.441,32.841 94.031,38.431 94.031,42.931 v1(94.3,43.2)
  L04_SIG/PWR w0.254: R95.1@39.4,28.8 40.4,28.8 v1(42.6,26.6)
NetC19_2: C19.2 R15.1 R16.1 | length 8.1
  L01_SIG/PWR w0.203: R15.1@99.519,37.653 99.519,36.494 100.927,35.086 C19.2@101.821,35.086 ; C19.2@101.921,35.086 102.793,35.086 104.175,36.468 R16.1@104.175,37.662
NetC25_2: C25.2 R26.2 | length 2.2
  L04_SIG/PWR w1.016: R26.2@85.513,67.275 85.6,67.189 C25.2@85.6,65.1
NetC26_2: C26.2 R27.2 | length 3.2
  L04_SIG/PWR w1.016: R27.2@89.25,73.2 89.3,73.25 92.35,73.25 C26.2@92.4,73.3
NetC37_2: C37.2 R29.1 | length 1.9
  L01_SIG/PWR w0.35: C37.2@68.3,50.866 68.333,50.833 70.167,50.833 R29.1@70.2,50.8
NetC38_2: C38.2 R30.1 R31.2 | length 3.8
  L01_SIG/PWR w0.254: R31.2@68.2,47.355 R31.2@68.222,47.378 ; C38.2@68.25,49.155 68.225,49.13 68.225,47.38 R31.2@68.222,47.378 ; R30.1@70.2,47.4 70.178,47.378 R31.2@68.222,47.378
NetD1_2: D1.2 R2.2 | length 40.4
  L01_SIG/PWR w0.254: D1.2@62.184,28.975 63.962,30.754 63.962,31.262 v1(64,31.3)
  L03_SIG w0.152: v1(64,31.3) 65.4,32.7 78.8,32.7 83.759,37.659 84.828,37.659 86.617,39.448 86.617,40.792 91.194,45.369 v1(91.194,47.834)
  L04_SIG/PWR w0.254: v1(91.194,47.834) 91.225,47.834 91.875,47.184 R2.2@91.925,47.184